# Altium PCB PCB1.PcbDoc (part 3 of 3)
Units mil, origin at the board's own origin, x right, y up, seen from the top; angles counter-clockwise.
Board outline 15710 x 6180 mil, 2 copper layers (Top Layer, Bottom Layer); 319 components, 269 nets, 1689 pads, 570 vias.
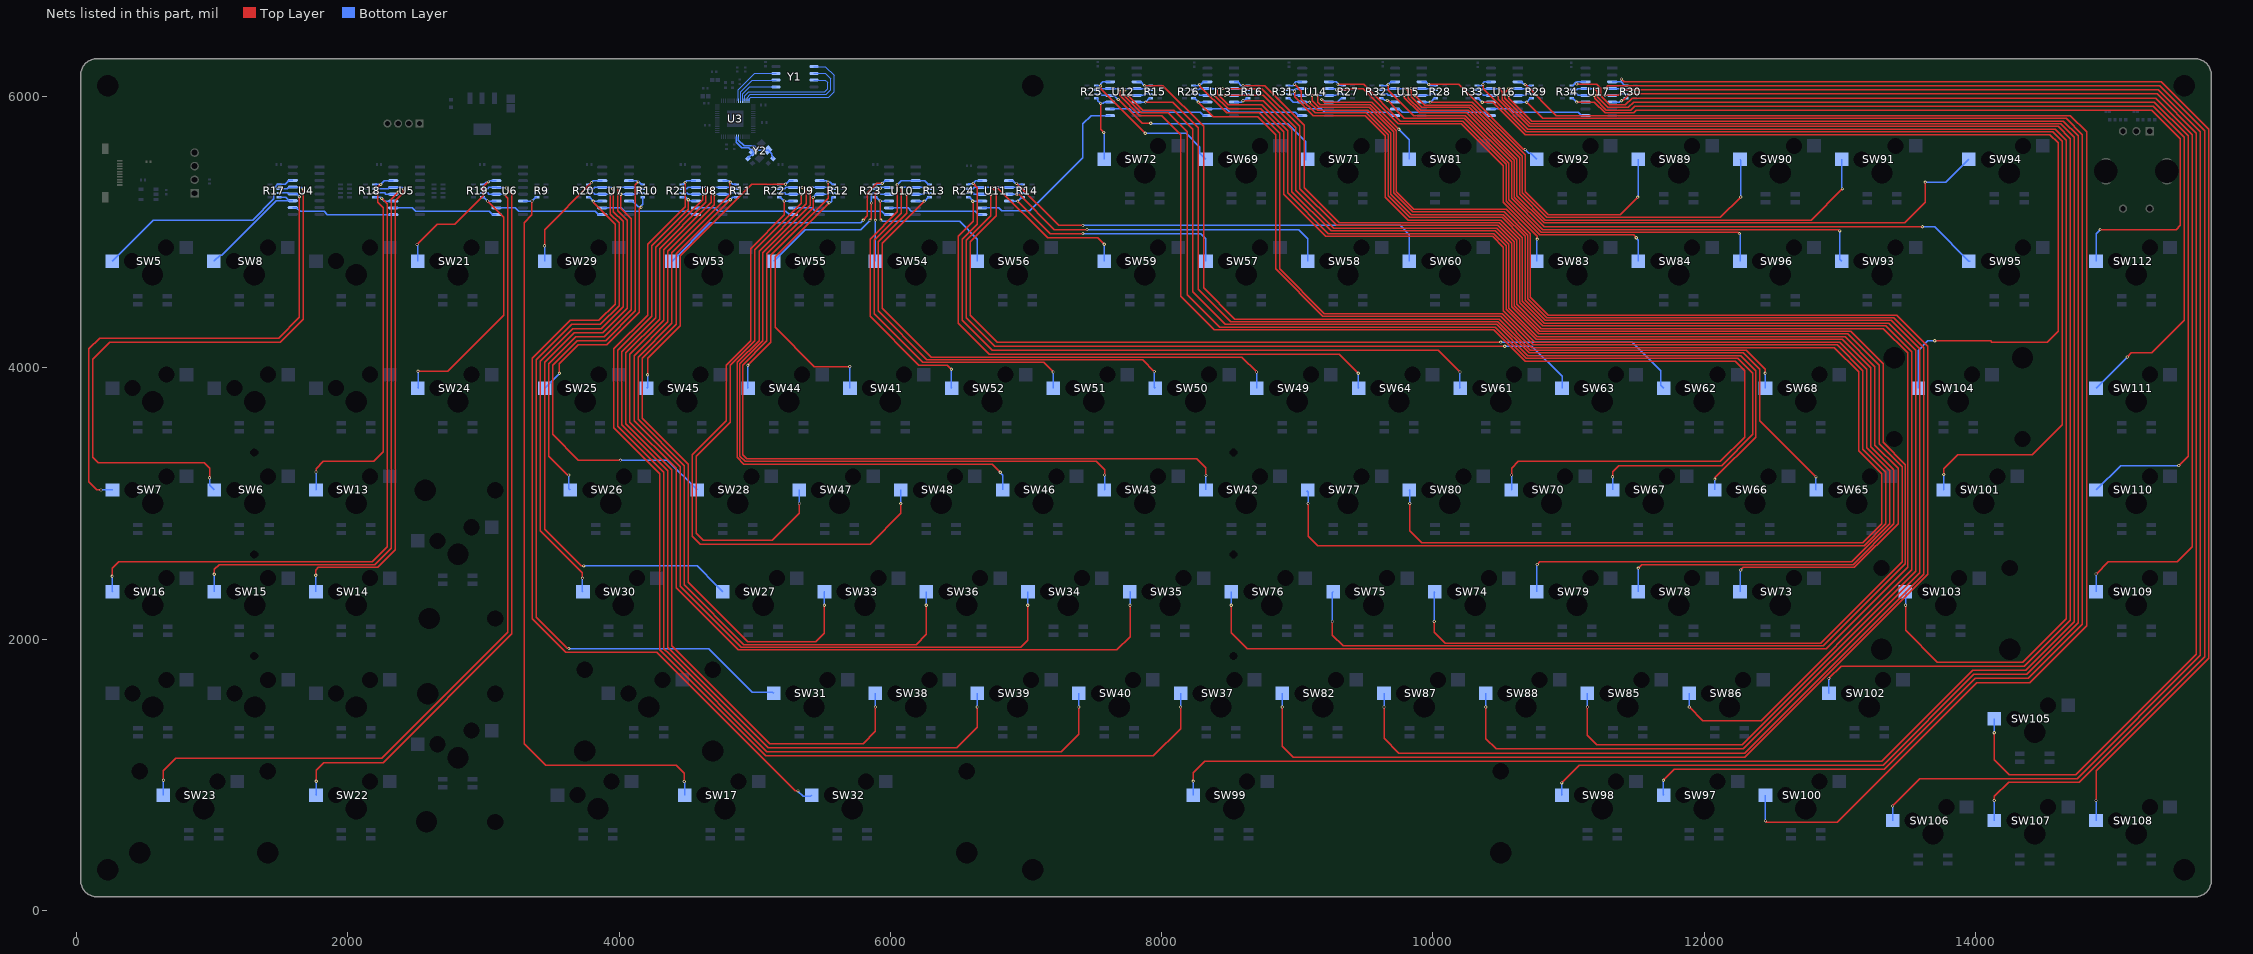
[diagram p3: the nets of this part, all layers, seen from the top]

## Via types
v1: diameter 23.62, hole 11.81, Top Layer to Bottom Layer, 537 vias
v2: diameter 40, hole 20, Top Layer to Bottom Layer, 18 vias
v3: diameter 19.68, hole 11.81, Top Layer to Bottom Layer, 10 vias
v4: diameter 39.37, hole 19.68, Top Layer to Bottom Layer, 3 vias
v5: diameter 80, hole 40, Top Layer to Bottom Layer, 1 vias
v6: diameter 45, hole 30, Top Layer to Bottom Layer, 1 vias

## Nets (pads, with @x,y where several pads share a name; then routed paths per layer and width w, separated by ;. In a path a pad name is that pad's centre, name@x,y a point inside that pad or via, vN(x,y) a via of type N, cw(c..) or ccw(c..) an arc to the next point about the centre after c; other vN are vias at no path point) (continued)
NetR9_8: R9.8 SW17.1 U6.6 | length 5570.7
  Top Layer w10: v1(3357.44,5230.41) 3357.44,5127.44 3300,5070 3300,1230 3460,1070 4420,1070 4480,1010 v1(4480,950)
  Bottom Layer w10: U6.6@3292.18,5230.41 v1(3357.44,5230.41) 3385.19,5258.17 R9.8@3394.54,5258.17 ; v1(4480,950) 4480,947.84 4482.63,945.21 4482.63,850.98 SW17.1@4483.61,850
NetR10_5: R10.5 SW28.1 U7.3 | length 3596.8
  Top Layer w10: v1(4010,3320) 3700,3320 3510,3510 3510,4020 3690,4200 3900,4200 4120,4420 4120,5351.38 v1(4140.31,5371.69)
  Bottom Layer w10: v1(4010,3320) 4356.38,3320 4576.38,3100 SW28.1@4577.36,3100 ; U7.3@4072.47,5380.41 4127.9,5380.41 4136.62,5371.69 4143.99,5371.69 4159.6,5356.08 4162.06,5356.08 4165.48,5352.66 R10.5@4174.83,5352.66
NetR10_6: R10.6 SW27.1 U7.4 | length 4611.2
  Top Layer w10: v1(3740,2540) 3720,2540 3450,2810 3450,4040 3670,4260 3880,4260 4060,4440 4060,5090 3990,5160 3990,5310.87 3999.36,5320.23 v1(3999.36,5323.54)
  Bottom Layer w10: v1(3740,2540) 4574.86,2540 4719.67,2395.2 4719.67,2394.21 4763.88,2350 SW27.1@4764.86,2350 ; v1(3999.36,5323.54) 4003.05,5323.54 4009.92,5330.41 4129.59,5330.41 4140,5320 4173.67,5320 R10.6@4174.83,5321.16
NetR10_7: R10.7 SW26.1 U7.5 | length 2826.2
  Top Layer w10: v1(3630,3210) 3628.47,3211.53 3618.47,3211.53 3480,3350 3480,4030 3680,4230 3890,4230 4090,4430 4090,5100 4012.68,5177.32 v1(4012.68,5280.01)
  Bottom Layer w10: v1(3630,3210) 3630,3109.86 SW26.1@3639.86,3100 ; v1(4012.68,5280.01) 4012.88,5280.21 4072.27,5280.21 U7.5@4072.47,5280.41 4130.41,5280.41 4140,5290 4174.5,5290 R10.7@4174.83,5289.66
NetR10_8: R10.8 SW25.1 U7.6 | length 1941.5
  Top Layer w10: v1(3560,3960) 3560,4030 3700,4170 3910,4170 4150,4410 4150,5172.54 4162.12,5184.66 v1(4162.12,5185.21)
  Bottom Layer w10: SW25.1@3452.36,3850 3453.35,3850 3560,3956.65 v1(3560,3960) ; U7.6@4072.47,5230.41 4098.78,5230.41 4122.94,5206.25 4141.5,5187.69 4154.46,5187.69 4156.94,5185.21 4156.94,5187.35 4174.83,5205.24 R10.8@4174.83,5258.17 ; v1@4158.46,5188.87 v1(4162.12,5185.21)
NetR11_5: R11.5 SW36.1 U8.3 | length 5819.6
  Top Layer w10: v1(4820,5370) 4817.39,5367.39 4817.39,5277.39 4390,4850 4390,4330 4140,4080 4140,3620 4480,3280 4480,2400 4920,1960 6190,1960 6264.7,2034.7 v1(6264.7,2249.3)
  Bottom Layer w10: U8.3@4762.76,5380.41 4765.13,5378.05 4808.27,5378.05 4816.31,5370 v1(4820,5370) 4837.34,5352.66 R11.5@4865.12,5352.66 ; v1(6264.7,2249.3) 6264.7,2349.84 SW36.1@6264.86,2350
NetR11_6: R11.6 SW35.1 U8.4 | length 7435.4
  Top Layer w10: v1(4690,5330) 4690,5327.33 4680,5317.33 4680,5220 4330,4870 4330,4350 4080,4100 4080,3600 4420,3260 4420,2380 4880,1920 7670,1920 7767.22,2017.22 v1(7767.22,2249.53)
  Bottom Layer w10: v1(4690,5330) 4690.21,5330.21 4762.55,5330.21 U8.4@4762.76,5330.41 4819.59,5330.41 4830,5320 4863.96,5320 R11.6@4865.12,5321.16 ; SW35.1@7764.86,2350 7767.22,2347.64 v1(7767.22,2249.53)
NetR11_7: R11.7 SW34.1 U8.5 | length 6571.3
  Top Layer w10: v1(4704.04,5280.88) 4701.43,5278.27 4701.43,5201.43 4360,4860 4360,4340 4110,4090 4110,3610 4450,3270 4450,2390 4900,1940 6960,1940 7013.5,1993.5 v1@7013.5,2248.98
  Bottom Layer w10: v1(4704.04,5280.88) 4704.27,5280.64 4762.53,5280.64 U8.5@4762.76,5280.41 4820.41,5280.41 4830,5290 4864.78,5290 R11.7@4865.12,5289.66 ; v1(7013.5,2249.92) 7013.5,2348.64 SW34.1@7014.86,2350
NetR11_8: R11.8 SW33.1 U8.6 | length 4863
  Top Layer w10: v1(4820,5240) 4420,4840 4420,4320 4170,4070 4170,3630 4510,3290 4510,2420 4950,1980 5450,1980 5513.92,2043.92 v1(5513.92,2249.73)
  Bottom Layer w10: U8.6@4762.76,5230.41 4765.13,5232.78 4809.09,5232.78 4816.31,5240 v1(4820,5240) 4838.17,5258.17 R11.8@4865.12,5258.17 ; v1(5513.92,2249.73) 5513.92,2349.05 SW33.1@5514.86,2350
NetR12_5: R12.5 SW44.1 U9.3 | length 1881.4
  Top Layer w10: v1(4950,4020) 5120,4190 5120,4830 5542.61,5252.61 5542.61,5367.39 v1(5540,5370)
  Bottom Layer w10: v1(4950,4020) 4950,3852.36 SW44.1@4952.36,3850 ; U9.3@5479.9,5380.41 5527.85,5380.41 5538.26,5370 v1(5540,5370) 5542.61,5367.39 5558.17,5367.39 5572.91,5352.66 R12.5@5582.26,5352.66
NetR12_6: R12.6 SW43.1 U9.4 | length 5249.3
  Top Layer w10: v1(5420,5330) 5420,5327.33 5410,5317.33 5410,5200 5060,4850 5060,4200 4890,4030 4890,3350 4930,3310 7520,3310 7580,3250 v1(7580,3210)
  Bottom Layer w10: v1(5420,5330) 5420.21,5330.21 5450.05,5330.21 5450.25,5330.41 5539.59,5330.41 5550,5320 5581.11,5320 R12.6@5582.27,5321.16 ; SW43.1@7577.36,3100 7580,3102.64 v1(7580,3210)
NetR12_7: R12.7 SW42.1 U9.5 | length 5903.6
  Top Layer w10: v1(5431.81,5256.1) 5431.81,5181.81 5090,4840 5090,4200 4910,4020 4910,3360 4940,3330 8260,3330 8327.36,3262.64 v1(8327.36,3207.36)
  Bottom Layer w10: v1(5431.81,5256.1) 5431.81,5257.36 5451.58,5277.14 5451.58,5280.41 5539.59,5280.41 5549.18,5290 5581.93,5290 R12.7@5582.27,5289.66 ; SW42.1@8327.36,3100 v1(8327.36,3207.36) v1@8330,3210
NetR12_8: R12.8 SW41.1 U9.6 | length 2053
  Top Layer w10: v1(5548.49,5217.35) 5150,4818.86 5150,4300 5440,4010 v1(5700,4010)
  Bottom Layer w10: U9.6@5479.9,5230.41 5532.39,5230.41 5545.46,5217.35 v1(5548.49,5217.35) 5551.09,5219.95 5559.95,5219.95 5569.55,5229.55 5569.55,5254.8 5572.92,5258.17 R12.8@5582.27,5258.17 ; v1(5700,4010) 5702.36,4007.64 SW41.1@5702.36,3850
NetR13_5: R13.5 SW52.1 U10.3 | length 2218.9
  Top Layer w10: v1(6050,5350) 6050,5150 5850,4950 5850,4380 6210,4020 6420,4020 v1(6450,3990)
  Bottom Layer w10: v1(6050,5350) 6080.21,5380.21 6186.84,5380.21 U10.3@6187.05,5380.41 6252.3,5380.41 6280.06,5352.66 R13.5@6289.41,5352.66 ; v1(6450,3990) 6450,3852.36 SW52.1@6452.36,3850
NetR13_6: R13.6 SW51.1 U10.4 | length 2846.3
  Top Layer w10: v1(6080,5330) 6080,5140 5880,4940 5880,4400 6240,4040 7130,4040 v1(7200,3970)
  Bottom Layer w10: v1(6080,5330) 6080.21,5330.21 6186.84,5330.21 U10.4@6187.05,5330.41 6239.59,5330.41 6250,5320 6288.25,5320 R13.6@6289.41,5321.16 ; v1(7200,3970) 7200,3852.36 SW51.1@7202.36,3850
NetR13_7: R13.7 SW50.1 U10.5 | length 3467.9
  Top Layer w10: v1(6120,5280) 6120,5140 5910,4930 5910,4420 6270,4060 7859.8,4060 v1(7946.58,3973.21)
  Bottom Layer w10: v1(6120,5280) 6120.21,5280.21 6186.84,5280.21 U10.5@6187.05,5280.41 6240.41,5280.41 6250,5290 6289.07,5290 R13.7@6289.41,5289.66 ; v1(7946.58,3973.21) 7946.58,3855.78 SW50.1@7952.36,3850
NetR13_8: R13.8 SW49.1 U10.6 | length 4105.8
  Top Layer w10: v1(6250,5230) 5940,4920 5940,4440 6300,4080 8590,4080 v1(8700,3970)
  Bottom Layer w10: U10.6@6187.05,5230.41 6187.26,5230.21 6249.79,5230.21 v1(6250,5230) ; v1@6252.3,5230.41 6280.06,5258.17 R13.8@6289.41,5258.17 ; v1(8700,3970) 8700,3852.36 SW49.1@8702.36,3850
NetR14_5: R14.5 SW60.1 U11.3 | length 3362.7
  Top Layer w10: v1(6930,5360) 7240,5050 v1(7420,5050)
  Bottom Layer w10: U11.3@6874.19,5380.41 6901.92,5380.41 6919.72,5362.61 6927.39,5362.61 v1(6930,5360) 6933.69,5360 6941.03,5352.66 R14.5@6976.55,5352.66 ; v1(7420,5050) 9760,5050 9827.36,4982.64 SW60.1@9827.36,4787.5
NetR14_6: R14.6 SW59.1 U11.4 | length 1276.6
  Top Layer w10: v1(6790,5330) 7160,4960 7529.02,4960 7577.67,4911.36 v1(7577.67,4911.17)
  Bottom Layer w10: v1(6790,5330) 6790.21,5330.21 6873.99,5330.21 U11.4@6874.19,5330.41 6929.59,5330.41 6940,5320 6975.4,5320 R14.6@6976.56,5321.16 ; SW59.1@7577.36,4787.5 7577.36,4907.47 7577.67,4907.78 v1(7577.67,4911.17)
NetR14_7: R14.7 SW58.1 U11.5 | length 2560
  Top Layer w10: v1(6932.34,5277.98) 6934.95,5275.37 6954.63,5275.37 7210,5020 v1(7450,5020)
  Bottom Layer w10: U11.5@6867.56,5280.41 6868.77,5279.19 6931.12,5279.19 v1(6932.34,5277.98) 6932.47,5277.98 6944.49,5290 6976.22,5290 R14.7@6976.56,5289.66 ; v1(7450,5020) 9010,5020 9077.36,4952.64 SW58.1@9077.36,4787.5
NetR14_8: R14.8 SW57.1 U11.6 | length 1781.2
  Top Layer w10: v3(6940,5230) 7180,4990 v1(7420,4990)
  Bottom Layer w10: U11.6@6874.19,5230.41 6939.45,5230.41 6939.52,5230.48 6967.2,5258.17 R14.8@6976.56,5258.17 ; v1(7420,4990) 8290,4990 8327.36,4952.64 SW57.1@8327.36,4787.5
NetR15_5: R15.5 SW68.1 U12.3 | length 6393.6
  Top Layer w10: v1(7874.85,6081.63) 8008.37,6081.63 8310,5780 8310,4590 8540,4360 10490,4360 10720,4130 12310,4130 12450,3990 v1(12450,3960)
  Bottom Layer w10: U12.3@7817.05,6109.55 7845.15,6109.55 7873.07,6081.63 v1(7874.85,6081.63) 7874.94,6081.72 7919.33,6081.72 R15.5@7919.41,6081.8 ; v1(12450,3960) 12450,3852.36 SW68.1@12452.36,3850
NetR15_6: R15.6 SW67.1 U12.4 | length 8168.7
  Top Layer w10: v1(7730,6050) 7730,6047.33 7720,6037.33 7720,6010 7850,5880 8050,5880 8190,5740 8190,4540 8430,4300 10460,4300 10690,4070 12250,4070 12360,3960 12360,3510 12130,3280 11370,3280 11324.81,3234.81 v1(11324.81,3197.71)
  Bottom Layer w10: v1(7730,6050) 7733.69,6050 7743.24,6059.55 7870.45,6059.55 7880,6050 7919.11,6050 R15.6@7919.42,6050.3 ; v1(11324.81,3197.71) 11324.81,3102.56 SW67.1@11327.36,3100
NetR15_7: R15.7 SW66.1 U12.5 | length 7347.1
  Top Layer w10: v1(7754.09,6009.52) 7754.09,6005.91 7860,5900 8090,5900 8230,5760 8230,4560 8470,4320 10470,4320 10700,4090 12270,4090 12380,3980 12380,3490 12082.61,3192.61 12082.61,3182.61 v1(12080,3180)
  Bottom Layer w10: v1(7754.09,6009.52) 7817.04,6009.54 7869.55,6009.55 7880,6020 7918.22,6020 R15.7@7919.42,6018.81 ; SW66.1@12077.36,3100 12080,3102.64 v1(12080,3180)
NetR15_8: R15.8 SW65.1 U12.6 | length 7217.3
  Top Layer w10: v1(7882.31,5959.55) 8080.45,5959.55 8270,5770 8270,4580 8510,4340 10480,4340 10710,4110 12290,4110 12410,3990 12410,3611.16 v1(12824.86,3196.3)
  Bottom Layer w10: U12.6@7817.05,5959.55 v1(7882.31,5959.55) 7910.06,5987.31 R15.8@7919.42,5987.31 ; v1(12824.86,3196.3) 12824.86,3102.5 SW65.1@12827.36,3100
NetR16_5: R16.5 SW76.1 U13.3 | length 13545.2
  Top Layer w10: v1(8514.26,2250.14) 8514.26,2045.74 8630,1930 12900,1930 13500,2530 13500,4110 13320,4290 10800,4290 10620,4470 10620,4940 10490,5070 9310,5070 9050,5330 9050,5790 8760,6080 8601.81,6080 v1(8600,6081.81)
  Bottom Layer w10: v1(8514.26,2250.14) 8514.26,2349.4 SW76.1@8514.86,2350 ; U13.3@8534.2,6109.55 8560.45,6109.55 8588.47,6081.53 8599.72,6081.53 v1(8600,6081.81) ; v1@8598.47,6081.53 8600,6080 8602.16,6080 8603.96,6081.8 R16.5@8636.56,6081.8
NetR16_6: R16.6 SW75.1 U13.4 | length 12819.9
  Top Layer w10: v1(8450,6060) 8740,6060 9020,5780 9020,5320 9290,5050 10480,5050 10600,4930 10600,4460 10790,4270 13080,4270 13320,4030 13320,3450 13485,3285 13485,2555 12880,1950 9340,1950 9260,2030 v1(9260,2130)
  Bottom Layer w10: v1@8450.45,6059.55 8590.45,6059.55 8600,6050 8636.26,6050 R16.6@8636.56,6050.3 ; v1(9260,2130) 9260,2345.14 SW75.1@9264.86,2350
NetR16_7: R16.7 SW74.1 U13.5 | length 11914.7
  Top Layer w10: v1(8470,6010) 8750,6010 8990,5770 8990,5310 9270,5030 10470,5030 10580,4920 10580,4450 10780,4250 13060,4250 13290,4020 13290,3440 13460,3270 13460,2570 12860,1970 10090,1970 10010,2050 v1(10010,2130)
  Bottom Layer w10: v1(8470,6010) 8470.22,6009.78 8533.98,6009.78 U13.5@8534.2,6009.55 8589.55,6009.55 8590,6010 8600,6020 8635.37,6020 R16.7@8636.56,6018.81 ; v1(10010,2130) 10010,2345.14 SW74.1@10014.86,2350
NetR16_8: R16.8 SW73.1 U13.6 | length 8823.9
  Top Layer w10: v1(8600,5970) 8750,5970 8960,5760 8960,5300 9250,5010 10460,5010 10560,4910 10560,4440 10770,4230 13040,4230 13260,4010 13260,3430 13430,3260 13430,2850 13108.6,2528.6 12288.6,2528.6 v1(12270,2510)
  Bottom Layer w10: U13.6@8534.2,5959.55 8586.69,5959.55 8597.13,5970 v1(8600,5970) 8602.61,5972.61 8612.51,5972.61 8627.21,5987.31 R16.8@8636.56,5987.31 ; SW73.1@12264.86,2350 12264.86,2502.7 12270,2507.84 v1(12270,2510)
NetR17_5: R17.5 SW8.1 U4.11 | length 850.4
  Bottom Layer w10: SW8.1@1014.86,4787.5 1014.86,4789.02 1057.56,4831.71 1071.71,4831.71 1472.5,5232.5 U4.11@1567.73,5232.5 ; R17.5@1492.33,5258.17 1542.06,5258.17 U4.11@1567.73,5232.5 ; U4.11@1594.04,5232.5 U4.11@1567.73,5232.5
NetR17_6: R17.6 SW7.1 U4.12 | length 3880.2
  Top Layer w10: v1(180,3100) 150,3100 90,3160 90,4140 170,4220 1490,4220 1643.11,4373.11 v1(1643.11,5261.53)
  Bottom Layer w10: v1(180,3100) SW7.1@264.86,3100 ; R17.6@1492.33,5289.66 1557.22,5289.66 1564.39,5282.5 U4.12@1594.04,5282.5 1622.14,5282.5 v1(1643.11,5261.53)
NetR17_7: R17.7 SW6.1 U4.13 | length 4612.3
  Top Layer w10: v1(980,3190) 980,3260 940,3300 160,3300 120,3340 120,4065 245,4190 1500,4190 1670,4360 v1(1670,5320)
  Bottom Layer w10: v1(980,3190) 980,3134.86 SW6.1@1014.86,3100 ; R17.7@1492.33,5321.16 1553.05,5321.16 1564.39,5332.5 1653.81,5332.5 1666.31,5320 v1(1670,5320)
NetR17_8: R17.8 SW5.1 U4.14 | length 1624.3
  Bottom Layer w10: SW5.1@262.36,4787.5 263.35,4787.5 565.85,5090 1297.45,5090 1453.11,5245.66 1453.11,5322.79 1482.98,5352.66 R17.8@1492.33,5352.66 1537.89,5352.66 1567.73,5382.5 U4.14@1594.04,5382.5 ; SW5.1@264.86,4787.5 SW5.1@265.85,4787.5
NetR18_5: R18.5 SW16.1 U5.11 | length 5003.6
  Top Layer w10: v1(261.63,2464.37) 261.3,2464.7 261.3,2521.3 310,2570 2180,2570 2290,2680 2290,5210 v1(2250,5250)
  Bottom Layer w10: v1(261.63,2464.37) 261.63,2353.23 SW16.1@264.86,2350 ; R18.5@2196.67,5258.17 2241.97,5258.17 2269.72,5230.41 U5.11@2334.98,5230.41
NetR18_6: R18.6 SW15.1 U5.12 | length 4372.1
  Top Layer w10: v1(1014.74,2479.11) 1014.74,2514.74 1050,2550 2200,2550 2320,2670 2320,5244.02 v1(2372.03,5296.06)
  Bottom Layer w10: v1(1014.74,2479.11) 1014.74,2350.12 SW15.1@1014.86,2350 ; R18.6@2196.67,5289.66 2270.34,5289.66 2279.59,5280.41 2364.01,5280.41 2364.01,5285.59 2372.03,5293.61 v1(2372.03,5296.06)
NetR18_7: R18.7 SW14.1 U5.13 | length 3716
  Top Layer w10: v1(1763.06,2471.77) 1762.93,2471.9 1762.93,2509.38 1783.56,2530 2220,2530 2350,2660 2350,5231.21 2410,5291.21 v1(2410,5320)
  Bottom Layer w10: v1(1763.06,2471.77) 1763.06,2351.8 SW14.1@1764.86,2350 ; R18.7@2196.67,5321.16 2296.07,5321.16 2305.32,5330.41 2395.9,5330.41 2406.31,5320 v1(2410,5320)
NetR18_8: R18.8 SW13.1 U5.14 | length 2851.2
  Top Layer w10: v1(1765.46,3232.29) 1766.29,3233.11 1766.29,3256.29 1820,3310 2190,3310 2260,3380 2260,5180 2220,5220 2220,5332.8 2239.86,5352.66 v1(2241.97,5352.66)
  Bottom Layer w10: SW13.1@1764.86,3100 1765.46,3100.6 v1(1765.46,3232.29) ; R18.8@2196.67,5352.66 v1(2241.97,5352.66) 2269.72,5380.41 U5.14@2334.98,5380.41
NetR19_5: R19.5 SW24.1 U6.11 | length 1934.6
  Top Layer w10: v1(2517.52,3975.33) 2735.33,3975.33 3150,4390 3150,5110.42 v1(3030.01,5230.41)
  Bottom Layer w10: SW24.1@2514.86,3850 2517.52,3852.66 v1(2517.52,3975.33) ; R19.5@2992.91,5258.17 3002.26,5258.17 v1(3030.01,5230.41) U6.11@3095.26,5230.41
NetR19_6: R19.6 SW23.1 U6.12 | length 6549.9
  Top Layer w10: v1(640.68,958.86) 640.68,1030.68 730,1120 2250,1120 3180,2050 3180,5252.33 3157.46,5274.87 v1(3157.46,5278.55)
  Bottom Layer w10: SW23.1@639.86,850 640.68,850.82 v1(640.68,958.86) ; R19.6@2992.9,5289.66 2993.24,5290 3030,5290 3039.59,5280.41 U6.12@3095.26,5280.41 3096.19,5279.48 3156.53,5279.48 v1(3157.46,5278.55)
NetR19_7: R19.7 SW22.1 U6.13 | length 5530.2
  Top Layer w10: v1(1766.28,951.83) 1766.28,1034.66 1821.62,1090 2260,1090 3210,2040 3210,5281.15 3167.17,5323.98 v1(3167.17,5326.24)
  Bottom Layer w10: SW22.1@1764.86,850 1766.28,851.42 v1(1766.28,951.83) ; R19.7@2992.9,5321.16 2994.06,5320 3030,5320 3040.41,5330.41 U6.13@3095.26,5330.41 3097.35,5328.33 3165.09,5328.33 v1(3167.17,5326.24)
NetR19_8: R19.8 SW21.1 U6.14 | length 993.8
  Top Layer w10: v1(2510,4910) 2660,5060 2790,5060 3000,5270 3000,5335.45 v1(3035.98,5371.43)
  Bottom Layer w10: v1(2510,4910) 2510,4907.84 2514.86,4902.97 SW21.1@2514.86,4787.5 ; R19.8@2992.9,5352.66 3002.25,5352.66 3019.56,5369.96 3034.51,5369.96 v1(3035.98,5371.43) 3039.16,5371.43 3048.14,5380.41 U6.14@3095.26,5380.41
NetR20_5: R20.5 SW32.1 U7.11 | length 6245
  Top Layer w10: v1(3810,5230) 3812.61,5227.39 3812.61,5217.39 3970,5060 3970,4470 3850,4350 3640,4350 3360,4070 3360,2150 3608.47,1901.53 4278.47,1901.53 5299.23,880.77 v1(5318.79,880.77)
  Bottom Layer w10: R20.5@3773.19,5258.17 3782.54,5258.17 3810.3,5230.41 U7.11@3875.55,5230.41 ; v1(5318.79,880.77) 5318.79,878.61 5357.39,840 5411.11,840 SW32.1@5421.11,850
NetR20_6: R20.6 SW31.1 U7.12 | length 5669.9
  Top Layer w10: v1(3630,1930) 3627.39,1932.61 3617.39,1932.61 3390,2160 3390,4060 3650,4320 3860,4320 4000,4460 4000,5070 3935.9,5134.1 v1(3935.9,5277.98)
  Bottom Layer w10: v1(3630,1930) 4660,1930 4980,1610 5129.86,1610 SW31.1@5139.86,1600 ; R20.6@3773.19,5289.66 3773.53,5290 3810,5290 3819.59,5280.41 U7.12@3875.55,5280.41 3876.77,5279.19 3934.68,5279.19 v1(3935.9,5277.98)
NetR20_7: R20.7 SW30.1 U7.13 | length 3696.7
  Top Layer w10: v1(3730,2450) 3730,2490 3420,2800 3420,4050 3660,4290 3870,4290 4030,4450 4030,5080 3957.71,5152.29 3957.71,5312.12 3951.89,5317.94 v1(3951.89,5321.62)
  Bottom Layer w10: v1(3730,2450) 3730,2353.61 SW30.1@3733.61,2350 ; R20.7@3773.19,5321.16 3774.35,5320 3810,5320 3820.41,5330.41 3939.41,5330.41 3948.2,5321.62 v1(3951.89,5321.62)
NetR20_8: R20.8 SW29.1 U7.14 | length 837.2
  Top Layer w10: v1(3450,4900) 3450,5020.11 v1(3796.31,5366.43)
  Bottom Layer w10: v1(3450,4900) 3450,4789.86 SW29.1@3452.36,4787.5 ; R20.8@3773.19,5352.66 3782.54,5352.66 3810.3,5380.41 U7.14@3875.55,5380.41
NetR21_5: R21.5 SW40.1 U8.11 | length 7508.8
  Top Layer w10: v1(4510,5240) 4510,5170 4240,4900 4240,4380 3990,4130 3990,3570 4330,3230 4330,1930 4369.22,1890.78 5090,1170 7260,1170 7390,1300 v1(7390,1500)
  Bottom Layer w10: R21.5@4463.48,5258.17 4491.83,5258.17 v1(4510,5240) 4513.69,5240 4520.91,5232.78 4563.47,5232.78 U8.11@4565.84,5230.41 ; SW40.1@7389.86,1600 7390,1599.86 v1(7390,1500)
NetR21_6: R21.6 SW39.1 U8.12 | length 6786.3
  Top Layer w10: v1(4618.19,5280) 4618.19,5238.19 4270,4890 4270,4370 4020,4120 4020,3580 4360,3240 4360,1940 5100,1200 6490,1200 6640,1350 v1(6640,1500)
  Bottom Layer w10: R21.6@4463.48,5289.66 4463.82,5290 4500,5290 4509.59,5280.41 U8.12@4565.84,5280.41 4566.05,5280.21 4617.98,5280.21 v1(4618.19,5280) ; SW39.1@6639.86,1600 6640,1599.86 v1(6640,1500)
NetR21_7: R21.7 SW38.1 U8.13 | length 6062.3
  Top Layer w10: v1(4640,5330) 4640,5220 4300,4880 4300,4360 4050,4110 4050,3590 4390,3250 4390,1950 5110,1230 5800,1230 5890,1320 v1(5890,1500)
  Bottom Layer w10: R21.7@4463.48,5321.16 4464.64,5320 4500,5320 4510.41,5330.41 U8.13@4565.84,5330.41 4566.05,5330.21 4639.79,5330.21 v1(4640,5330) ; SW38.1@5889.86,1600 5890,1599.86 v1(5890,1500)
NetR21_8: R21.8 SW37.1 U8.14 | length 8425.2
  Top Layer w10: v1(4486.6,5366.43) 4486.6,5186.6 4210,4910 4210,4390 3960,4140 3960,3560 4300,3220 4300,1920 5080,1140 7940,1140 8140,1340 v1(8140,1500)
  Bottom Layer w10: R21.8@4463.48,5352.66 4472.83,5352.66 4500.59,5380.41 U8.14@4565.84,5380.41 ; SW37.1@8139.86,1600 8140,1599.86 v1(8140,1500)
NetR22_5: R22.5 SW48.1 U9.11 | length 4694
  Top Layer w10: v1(5217.73,5230.41) 5217.73,5127.73 4970,4880 4970,4200 4790,4020 4790,3610 4540,3360 4540,2760 4600,2700 5850,2700 6077.19,2927.19 v1(6077.19,2999.68)
  Bottom Layer w10: R22.5@5180.63,5258.17 5189.98,5258.17 v1(5217.73,5230.41) U9.11@5282.98,5230.41 ; v1(6077.19,2999.68) 6077.19,3099.83 SW48.1@6077.36,3100
NetR22_6: R22.6 SW47.1 U9.12 | length 4024.5
  Top Layer w10: v1(5330,3000) 5330,2930 5130,2730 4620,2730 4570,2780 4570,3350 4820,3600 4820,4020 5000,4200 5000,4870 5343.64,5213.64 5343.64,5278.69 v1(5345.07,5280.12)
  Bottom Layer w10: R22.6@5180.62,5289.66 5180.96,5290 5220,5290 5229.59,5280.41 5309.44,5280.41 5309.59,5280.27 5344.92,5280.27 v1(5345.07,5280.12) ; SW47.1@5327.36,3100 5330,3097.36 v1(5330,3000)
NetR22_7: R22.7 SW46.1 U9.13 | length 4510.8
  Top Layer w10: v1(5350,5330) 5380,5300 5380,5210 5031.81,4861.81 5031.81,4201.81 4870,4040 4870,3340 4920,3290 6750,3290 v1(6810,3230)
  Bottom Layer w10: R22.7@5180.62,5321.16 5181.78,5320 5220,5320 5230.41,5330.41 5312.64,5330.41 5312.84,5330.21 5349.79,5330.21 v1(5350,5330) ; v1(6810,3230) 6810,3226.81 6827.36,3209.45 SW46.1@6827.36,3100
NetR22_8: R22.8 SW45.1 U9.14 | length 2187.9
  Top Layer w10: v1(4210,3950) 4210,4070 4450,4310 4450,4825.53 4978.65,5354.18 v1(5227.08,5354.18)
  Bottom Layer w10: SW45.1@4202.36,3850 4210,3857.64 v1(4210,3950) ; R22.8@5180.62,5352.66 5182.14,5354.18 v1@5226.93,5354.18 ; v1(5227.08,5354.18) 5247.13,5374.23 5253.33,5380.41 U9.14@5282.98,5380.41
NetR23_5: R23.5 SW56.1 U10.11 | length 1186.8
  Top Layer w10: v1(5924.88,5230.41) 5924.88,5102.67 5927.39,5100.15 5927.39,5092.61 v1(5930,5090)
  Bottom Layer w10: R23.5@5887.77,5258.17 5897.12,5258.17 v1(5924.88,5230.41) U10.11@5990.13,5230.41 ; v1(5930,5090) 5932.67,5090 5942.67,5080 6510,5080 6639.86,4950.14 SW56.1@6639.86,4787.5
NetR23_6: R23.6 SW55.1 U10.12 | length 1164.4
  Top Layer w10: v1(5850,5090) 5850,5093.28 5859.39,5102.67 5859.39,5213.26 v1(5861.99,5215.87)
  Bottom Layer w10: SW55.1@5139.86,4787.5 5140.85,4787.5 5373.35,5020 5780,5020 v1(5850,5090) ; v1(5861.99,5215.87) 5860.06,5217.81 5860.06,5271.3 5878.42,5289.66 R23.6@5887.77,5289.66 5887.92,5289.51 5920.49,5289.51 5930,5280 5930.41,5280.41 U10.12@5990.13,5280.41
NetR23_7: R23.7 SW54.1 U10.13 | length 659.3
  Top Layer w10: v1(5890,5090) 5890,5290 v1(5925.21,5325.21)
  Bottom Layer w10: R23.7@5887.77,5321.16 5888.93,5320 5920,5320 v1(5925.21,5325.21) 5930.41,5330.41 U10.13@5990.13,5330.41 ; SW54.1@5889.86,4787.5 v1@5889.86,5089.86
NetR23_8: R23.8 SW53.1 U10.14 | length 2000.7